# Altium PCB PCB1.PcbDoc (part 11 of 15)
Units mm, origin at the board's own origin, x right, y up, seen from the top; angles counter-clockwise.
Board outline 77.21 x 58.7 mm, 2 copper layers (Top Layer, Bottom Layer); 194 components, 134 nets, 25878 pads, 596 vias.
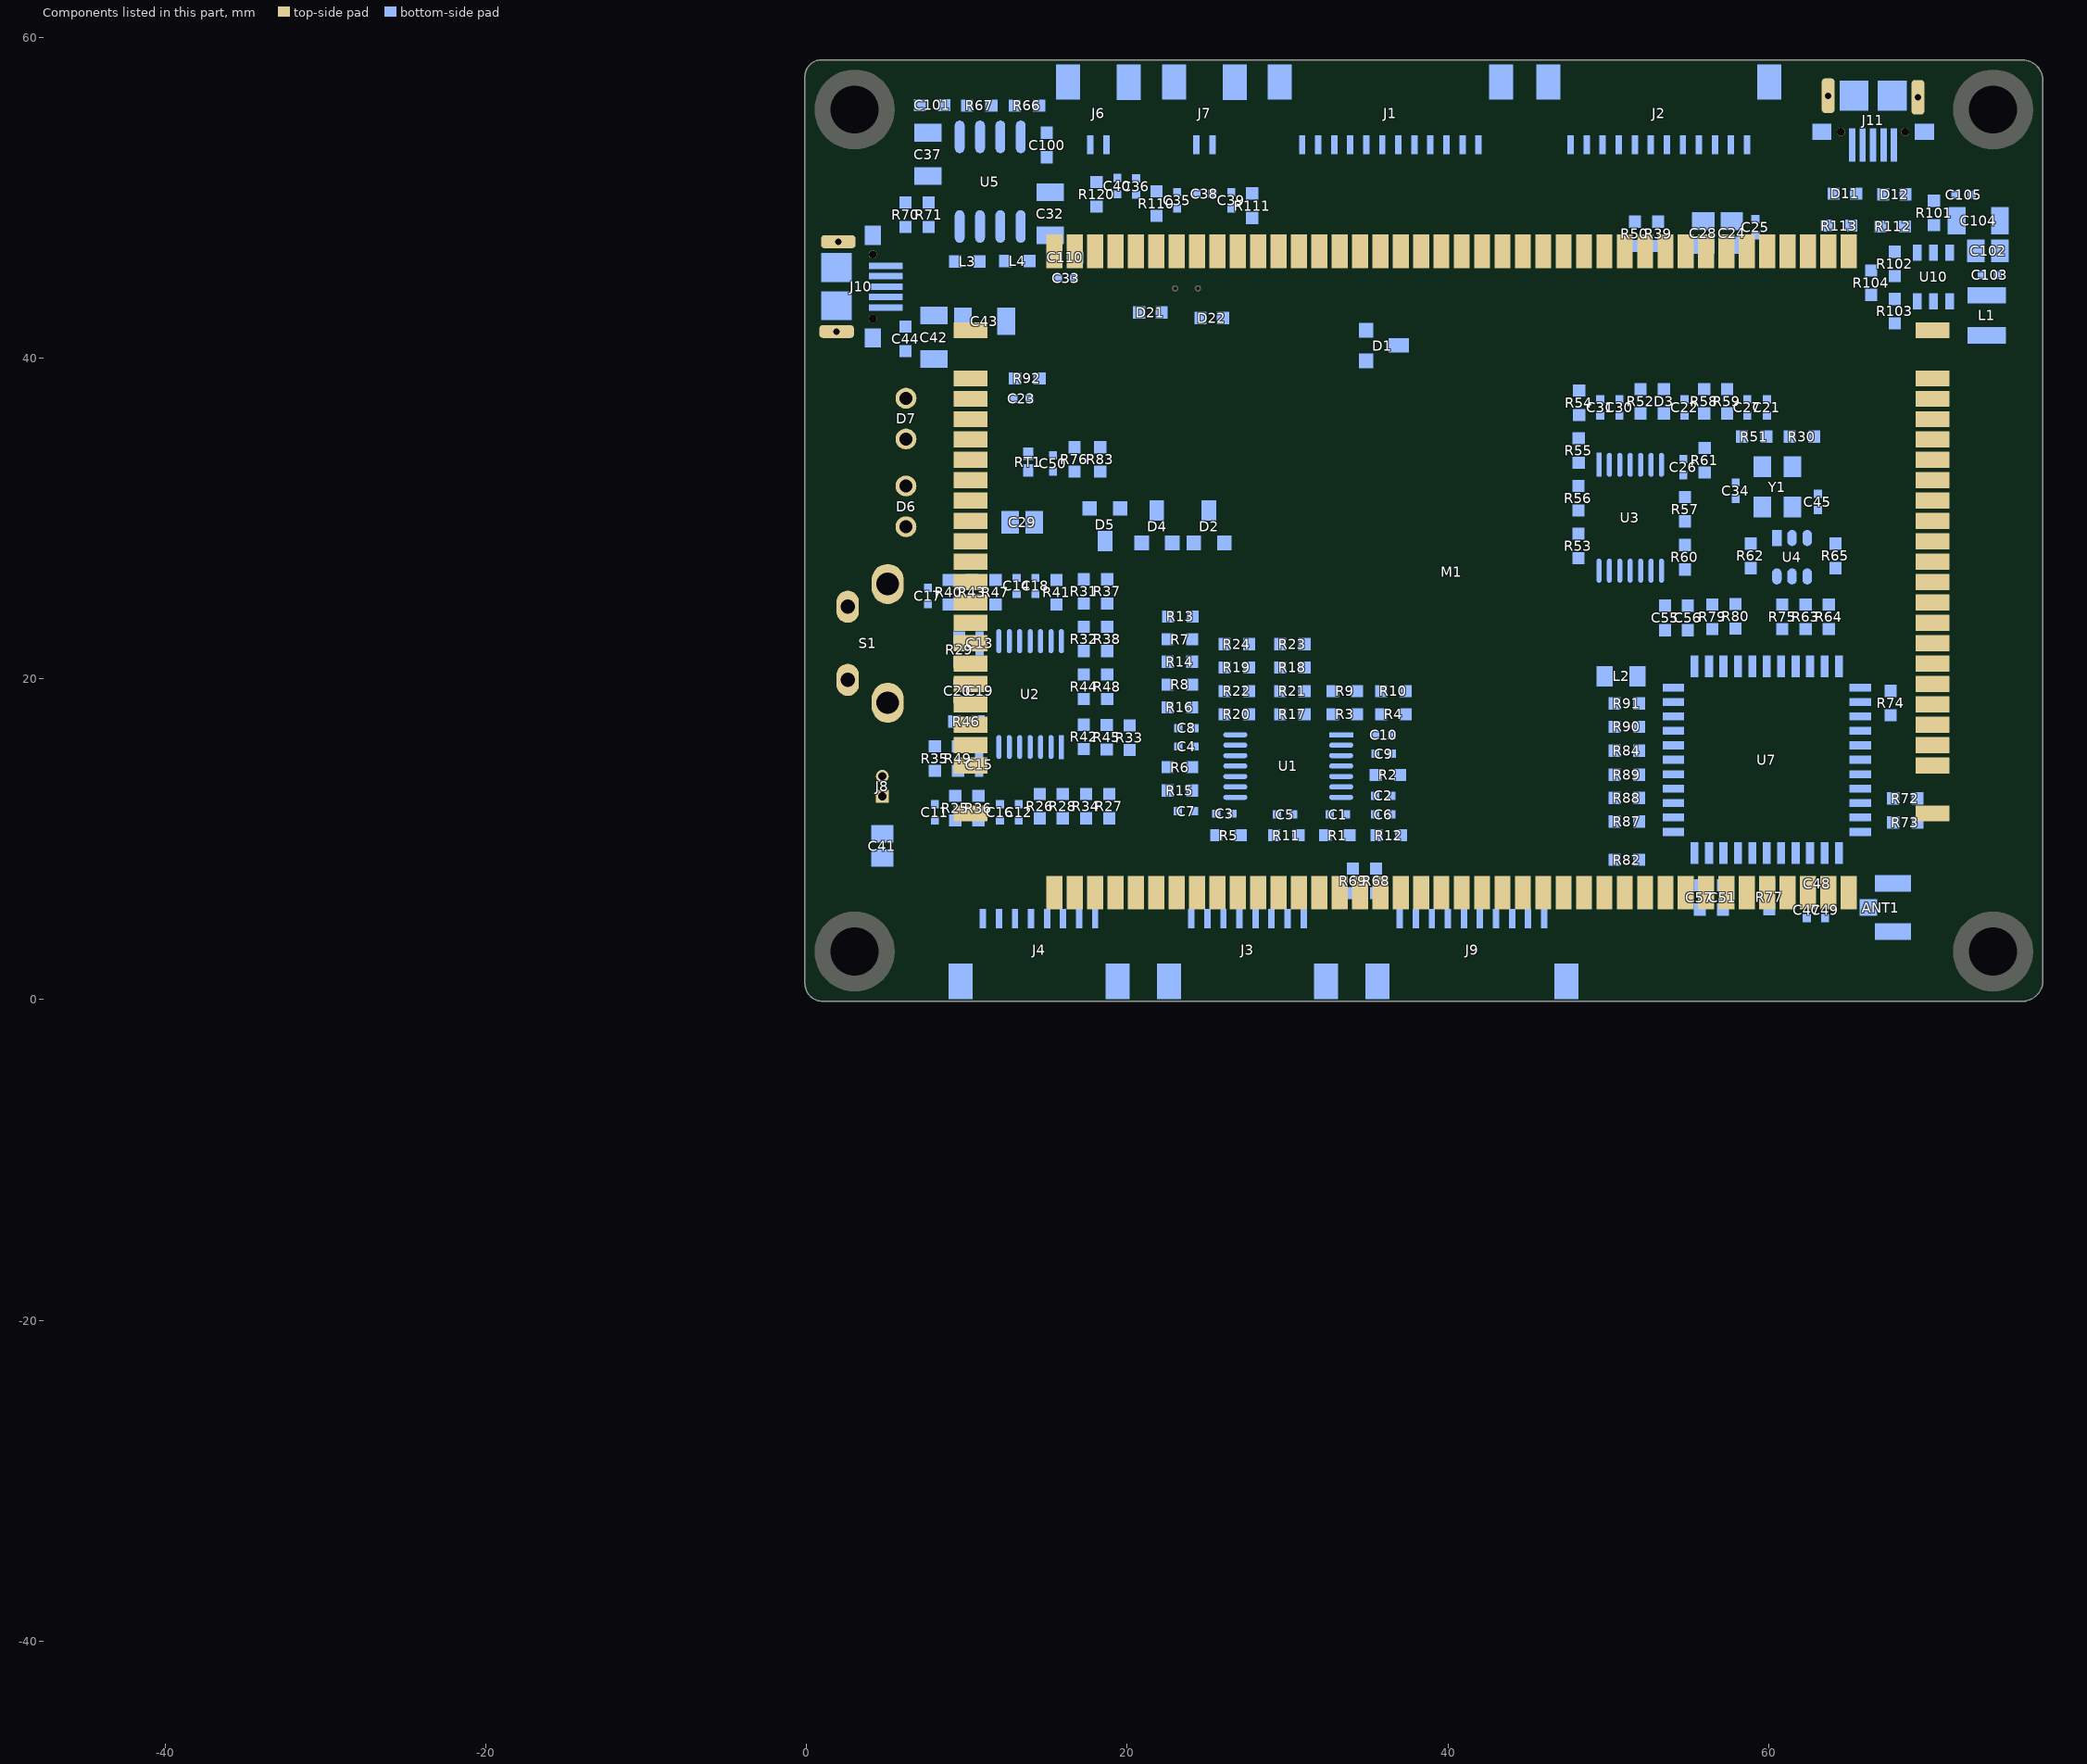
[diagram p11: the components of this part, seen from the top]

## Free pads (board coordinates) (continued)
  round 0 on Mech10: 1(-45.293,-43.974) 1(-45.293,-43.974) 1(-45.293,-43.974) 1(-45.293,-43.972) 1(-45.293,-43.972) 1(-45.293,-43.972) 1(-45.293,-43.986) 1(-45.293,-43.986) 1(-45.293,-43.986) 1(-45.293,-43.983) 1(-45.293,-43.983) 1(-45.293,-43.983) 1(-45.293,-44.016) 1(-45.293,-44.016) 1(-45.293,-44.016) 1(-45.293,-44.019) 1(-45.293,-44.019) 1(-45.293,-44.019) 1(-45.292,-43.984) 1(-45.292,-43.984) 1(-45.292,-43.984) 1(-45.292,-43.977) 1(-45.292,-43.977) 1(-45.292,-43.977) 1(-45.292,-44.011) 1(-45.292,-44.011) 1(-45.292,-44.011) 1(-45.292,-44.007) 1(-45.292,-44.007) 1(-45.292,-44.007) 1(-45.291,-43.998) 1(-45.291,-43.998) 1(-45.291,-43.998) 1(-45.291,-43.973) 1(-45.291,-43.973) 1(-45.291,-43.973) 1(-45.291,-44.003) 1(-45.291,-44.003) 1(-45.291,-44.003) 1(-45.291,-43.983) 1(-45.291,-43.983) 1(-45.291,-43.983) 1(-45.291,-43.99) 1(-45.291,-43.99) 1(-45.291,-43.99) 1(-45.291,-44.011) 1(-45.291,-44.011) 1(-45.291,-44.011) 1(-45.291,-43.993) 1(-45.291,-43.993) 1(-45.291,-43.993) 1(-45.29,-43.982) 1(-45.29,-43.982) 1(-45.29,-43.982) 1(-45.29,-43.979) 1(-45.29,-43.979) 1(-45.29,-43.979) 1(-45.29,-44.019) 1(-45.29,-44.019) 1(-45.29,-44.019) 1(-45.29,-43.996) 1(-45.29,-43.996) 1(-45.29,-43.996) 1(-45.29,-44.016) 1(-45.29,-44.016) 1(-45.29,-44.016) 1(-45.29,-44.001) 1(-45.29,-44.001) 1(-45.29,-44.001) 1(-45.29,-43.987) 1(-45.29,-43.987) 1(-45.29,-43.987) 1(-45.29,-43.982) 1(-45.29,-43.982) 1(-45.29,-43.982) 1(-45.29,-43.978) 1(-45.29,-43.978) 1(-45.29,-43.978) 1(-45.289,-43.973) 1(-45.289,-43.973) 1(-45.289,-43.973) 1(-45.289,-44.01) 1(-45.289,-44.01) 1(-45.289,-44.01) 1(-45.289,-44.008) 1(-45.289,-44.008) 1(-45.289,-44.008) 1(-45.289,-43.975) 1(-45.289,-43.975) 1(-45.289,-43.975) 1(-45.288,-43.987) 1(-45.288,-43.987) 1(-45.288,-43.987) 1(-45.288,-43.985) 1(-45.288,-43.985) 1(-45.288,-43.985) 1(-45.288,-44.017) 1(-45.288,-44.017) 1(-45.288,-44.017) 1(-45.288,-44.02) 1(-45.288,-44.02) 1(-45.288,-44.02) 1(-45.288,-44.024) 1(-45.288,-44.024) 1(-45.288,-44.024) 1(-45.288,-43.971) 1(-45.288,-43.971) 1(-45.288,-43.971) 1(-45.288,-44.005) 1(-45.288,-44.005) 1(-45.288,-44.005) 1(-45.288,-44.001) 1(-45.288,-44.001) 1(-45.288,-44.001) 1(-45.288,-44.004) 1(-45.288,-44.004) 1(-45.288,-44.004) 1(-45.288,-44.002) 1(-45.288,-44.002) 1(-45.288,-44.002) 1(-45.288,-43.978) 1(-45.288,-43.978) 1(-45.288,-43.978) 1(-45.287,-43.982) 1(-45.287,-43.982) 1(-45.287,-43.982) 1(-45.287,-43.991) 1(-45.287,-43.991) 1(-45.287,-43.991) 1(-45.287,-43.974) 1(-45.287,-43.974) 1(-45.287,-43.974) 1(-45.287,-43.968) 1(-45.287,-43.968) 1(-45.287,-43.968) 1(-45.287,-44.022) 1(-45.287,-44.022) 1(-45.287,-44.022) 1(-45.287,-43.986) 1(-45.287,-43.986) 1(-45.287,-43.986) 1(-45.286,-44.019) 1(-45.286,-44.019) 1(-45.286,-44.019) 1(-45.286,-43.999) 1(-45.286,-43.999) 1(-45.286,-43.999) 1(-45.286,-44.008) 1(-45.286,-44.008) 1(-45.286,-44.008) 1(-45.286,-44.014) 1(-45.286,-44.014) 1(-45.286,-44.014) 1(-45.286,-44.012) 1(-45.286,-44.012) 1(-45.286,-44.012) 1(-45.286,-44.005) 1(-45.286,-44.005) 1(-45.286,-44.005) 1(-45.286,-44.004) 1(-45.286,-44.004) 1(-45.286,-44.004) 1(-45.286,-43.98) 1(-45.286,-43.98) 1(-45.286,-43.98) 1(-45.285,-43.997) 1(-45.285,-43.997) 1(-45.285,-43.997) 1(-45.285,-44.001) 1(-45.285,-44.001) 1(-45.285,-44.001) 1(-45.285,-43.987) 1(-45.285,-43.987) 1(-45.285,-43.987) 1(-45.285,-43.989) 1(-45.285,-43.989) 1(-45.285,-43.989) 1(-45.285,-44.017) 1(-45.285,-44.017) 1(-45.285,-44.017) 1(-45.285,-44.006) 1(-45.285,-44.006) 1(-45.285,-44.006) 1(-45.285,-44.01) 1(-45.285,-44.01) 1(-45.285,-44.01) 1(-45.285,-43.977) 1(-45.285,-43.977) 1(-45.285,-43.977) 1(-45.285,-44.011) 1(-45.285,-44.011) 1(-45.285,-44.011) 1(-45.284,-43.985) 1(-45.284,-43.985) 1(-45.284,-43.985) 1(-45.284,-44.019) 1(-45.284,-44.019) 1(-45.284,-44.019) 1(-45.284,-43.975) 1(-45.284,-43.975) 1(-45.284,-43.975) 1(-45.284,-44.022) 1(-45.284,-44.022) 1(-45.284,-44.022) 1(-45.283,-44.015) 1(-45.283,-44.015) 1(-45.283,-44.015) 1(-45.283,-43.984) 1(-45.283,-43.984) 1(-45.283,-43.984) 1(-45.283,-43.974) 1(-45.283,-43.974) 1(-45.283,-43.974) 1(-45.282,-44.024) 1(-45.282,-44.024) 1(-45.282,-44.024) 1(-45.282,-43.995) 1(-45.282,-43.995) 1(-45.282,-43.995) 1(-45.282,-43.991) 1(-45.282,-43.991) 1(-45.282,-43.991) 1(-45.282,-43.99) 1(-45.282,-43.99) 1(-45.282,-43.99) 1(-45.282,-43.996) 1(-45.282,-43.996) 1(-45.282,-43.996) 1(-45.282,-43.993) 1(-45.282,-43.993) 1(-45.282,-43.993) 1(-45.282,-44.011) 1(-45.282,-44.011) 1(-45.282,-44.011) 1(-45.282,-44.006) 1(-45.282,-44.006) 1(-45.282,-44.006) 1(-45.282,-44.008) 1(-45.282,-44.008) 1(-45.282,-44.008) 1(-45.282,-43.987) 1(-45.282,-43.987) 1(-45.282,-43.987) 1(-45.282,-44.004) 1(-45.282,-44.004) 1(-45.282,-44.004) 1(-45.282,-43.989) 1(-45.282,-43.989) 1(-45.282,-43.989) 1(-45.282,-43.986) 1(-45.282,-43.986) 1(-45.282,-43.986) 1(-45.281,-43.999) 1(-45.281,-43.999) 1(-45.281,-43.999) 1(-45.281,-43.984) 1(-45.281,-43.984) 1(-45.281,-43.984) 1(-45.281,-44.015) 1(-45.281,-44.015) 1(-45.281,-44.015) 1(-45.281,-44.004) 1(-45.281,-44.004) 1(-45.281,-44.004) 1(-45.281,-44.017) 1(-45.281,-44.017) 1(-45.281,-44.017) 1(-45.281,-43.989) 1(-45.281,-43.989) 1(-45.281,-43.989) 1(-45.281,-44.006) 1(-45.281,-44.006) 1(-45.281,-44.006) 1(-45.281,-44.019) 1(-45.281,-44.019) 1(-45.281,-44.019) 1(-45.281,-44.008) 1(-45.281,-44.008) 1(-45.281,-44.008) 1(-45.28,-44.014) 1(-45.28,-44.014) 1(-45.28,-44.014) 1(-45.28,-44.012) 1(-45.28,-44.012) 1(-45.28,-44.012) 1(-45.28,-43.974) 1(-45.28,-43.974) 1(-45.28,-43.974) 1(-45.28,-43.967) 1(-45.28,-43.967) 1(-45.28,-43.967) 1(-45.28,-43.993) 1(-45.28,-43.993) 1(-45.28,-43.993) 1(-45.28,-43.985) 1(-45.28,-43.985) 1(-45.28,-43.985) 1(-45.28,-44.007) 1(-45.28,-44.007) 1(-45.28,-44.007) 1(-45.28,-44.021) 1(-45.28,-44.021) 1(-45.28,-44.021) 1(-45.279,-43.989) 1(-45.279,-43.989) 1(-45.279,-43.989) 1(-45.279,-44.01) 1(-45.279,-44.01) 1(-45.279,-44.01) 1(-45.279,-44.001) 1(-45.279,-44.001) 1(-45.279,-44.001) 1(-45.279,-43.987) 1(-45.279,-43.987) 1(-45.279,-43.987) 1(-45.279,-44.004) 1(-45.279,-44.004) 1(-45.279,-44.004) 1(-45.279,-43.984) 1(-45.279,-43.984) 1(-45.279,-43.984) 1(-45.279,-43.967) 1(-45.279,-43.967) 1(-45.279,-43.967) 1(-45.279,-43.995) 1(-45.279,-43.995) 1(-45.279,-43.995) 1(-45.279,-43.994) 1(-45.279,-43.994) 1(-45.279,-43.994) 1(-45.279,-43.987) 1(-45.279,-43.987) 1(-45.279,-43.987) 1(-45.278,-43.974) 1(-45.278,-43.974) 1(-45.278,-43.974) 1(-45.278,-43.99) 1(-45.278,-43.99) 1(-45.278,-43.99) 1(-45.278,-44.001) 1(-45.278,-44.001) 1(-45.278,-44.001) 1(-45.278,-44.015) 1(-45.278,-44.015) 1(-45.278,-44.015) 1(-45.278,-43.998) 1(-45.278,-43.998) 1(-45.278,-43.998) 1(-45.278,-43.997) 1(-45.278,-43.997) 1(-45.278,-43.997) 1(-45.278,-44.005) 1(-45.278,-44.005) 1(-45.278,-44.005) 1(-45.278,-44.011) 1(-45.278,-44.011) 1(-45.278,-44.011) 1(-45.278,-44.008) 1(-45.278,-44.008) 1(-45.278,-44.008) 1(-45.278,-44.004) 1(-45.278,-44.004) 1(-45.278,-44.004) 1(-45.278,-43.985) 1(-45.278,-43.985) 1(-45.278,-43.985) 1(-45.278,-44.021) 1(-45.278,-44.021) 1(-45.278,-44.021) 1(-45.278,-43.99) 1(-45.278,-43.99) 1(-45.278,-43.99) 1(-45.277,-43.997) 1(-45.277,-43.997) 1(-45.277,-43.997) 1(-45.277,-44.011) 1(-45.277,-44.011) 1(-45.277,-44.011) 1(-45.277,-43.994) 1(-45.277,-43.994) 1(-45.277,-43.994) 1(-45.277,-44.009) 1(-45.277,-44.009) 1(-45.277,-44.009) 1(-45.277,-44.002) 1(-45.277,-44.002) 1(-45.277,-44.002) 1(-45.277,-43.977) 1(-45.277,-43.977) 1(-45.277,-43.977) 1(-45.276,-43.98) 1(-45.276,-43.98) 1(-45.276,-43.98) 1(-45.276,-44.024) 1(-45.276,-44.024) 1(-45.276,-44.024) 1(-45.276,-43.986) 1(-45.276,-43.986) 1(-45.276,-43.986) 1(-45.276,-44.017) 1(-45.276,-44.017) 1(-45.276,-44.017) 1(-45.276,-43.977) 1(-45.276,-43.977) 1(-45.276,-43.977) 1(-45.276,-44.021) 1(-45.276,-44.021) 1(-45.276,-44.021) 1(-45.276,-43.973) 1(-45.276,-43.973) 1(-45.276,-43.973) 1(-45.275,-43.982) 1(-45.275,-43.982) 1(-45.275,-43.982) 1(-45.275,-43.99) 1(-45.275,-43.99) 1(-45.275,-43.99) 1(-45.275,-44.011) 1(-45.275,-44.011) 1(-45.275,-44.011) 1(-45.275,-43.995) 1(-45.275,-43.995) 1(-45.275,-43.995) 1(-45.275,-44.009) 1(-45.275,-44.009) 1(-45.275,-44.009) 1(-45.275,-44.005) 1(-45.275,-44.005) 1(-45.275,-44.005) 1(-45.275,-43.989) 1(-45.275,-43.989) 1(-45.275,-43.989) 1(-45.275,-43.984) 1(-45.275,-43.984) 1(-45.275,-43.984) 1(-45.274,-44.021) 1(-45.274,-44.021) 1(-45.274,-44.021) 1(-45.274,-44.017) 1(-45.274,-44.017) 1(-45.274,-44.017) 1(-45.274,-44.009) 1(-45.274,-44.009) 1(-45.274,-44.009) 1(-45.274,-43.975) 1(-45.274,-43.975) 1(-45.274,-43.975) 1(-45.274,-43.991) 1(-45.274,-43.991) 1(-45.274,-43.991) 1(-45.274,-44.015) 1(-45.274,-44.015) 1(-45.274,-44.015) 1(-45.274,-43.971) 1(-45.274,-43.971) 1(-45.274,-43.971) 1(-45.274,-44.007) 1(-45.274,-44.007) 1(-45.274,-44.007) 1(-45.274,-43.993) 1(-45.274,-43.993) 1(-45.274,-43.993) 1(-45.274,-44.002) 1(-45.274,-44.002) 1(-45.274,-44.002) 1(-45.274,-44.013) 1(-45.274,-44.013) 1(-45.274,-44.013) 1(-45.274,-44.012) 1(-45.274,-44.012) 1(-45.274,-44.012) 1(-45.273,-44.011) 1(-45.273,-44.011) 1(-45.273,-44.011) 1(-45.273,-44.014) 1(-45.273,-44.014) 1(-45.273,-44.014) 1(-45.273,-43.99) 1(-45.273,-43.99) 1(-45.273,-43.99) 1(-45.273,-43.975) 1(-45.273,-43.975) 1(-45.273,-43.975) 1(-45.273,-43.977) 1(-45.273,-43.977) 1(-45.273,-43.977) 1(-45.273,-43.984) 1(-45.273,-43.984) 1(-45.273,-43.984) 1(-45.273,-43.981) 1(-45.273,-43.981) 1(-45.273,-43.981) 1(-45.273,-43.98) 1(-45.273,-43.98) 1(-45.273,-43.98) 1(-45.273,-44.016) 1(-45.273,-44.016) 1(-45.273,-44.016) 1(-45.273,-43.998) 1(-45.273,-43.998) 1(-45.273,-43.998) 1(-45.273,-43.971) 1(-45.273,-43.971) 1(-45.273,-43.971) 1(-45.273,-44.013) 1(-45.273,-44.013) 1(-45.273,-44.013) 1(-45.273,-43.999) 1(-45.273,-43.999) 1(-45.273,-43.999) 1(-45.273,-44.011) 1(-45.273,-44.011) 1(-45.273,-44.011) 1(-45.273,-43.987) 1(-45.273,-43.987) 1(-45.273,-43.987) 1(-45.272,-43.989) 1(-45.272,-43.989) 1(-45.272,-43.989) 1(-45.272,-44.004) 1(-45.272,-44.004) 1(-45.272,-44.004) 1(-45.272,-44.007) 1(-45.272,-44.007) 1(-45.272,-44.007) 1(-45.272,-43.998) 1(-45.272,-43.998) 1(-45.272,-43.998) 1(-45.272,-43.988) 1(-45.272,-43.988) 1(-45.272,-43.988) 1(-45.272,-44.005) 1(-45.272,-44.005) 1(-45.272,-44.005) 1(-45.272,-44.002) 1(-45.272,-44.002) 1(-45.272,-44.002) 1(-45.272,-43.971) 1(-45.272,-43.971) 1(-45.272,-43.971) 1(-45.272,-43.995) 1(-45.272,-43.995) 1(-45.272,-43.995) 1(-45.272,-43.993) 1(-45.272,-43.993) 1(-45.272,-43.993) 1(-45.272,-44) 1(-45.272,-44) 1(-45.272,-44) 1(-45.272,-43.992) 1(-45.272,-43.992) 1(-45.272,-43.992) 1(-45.272,-44.013) 1(-45.272,-44.013) 1(-45.272,-44.013) 1(-45.271,-44.009) 1(-45.271,-44.009) 1(-45.271,-44.009) 1(-45.271,-43.981) 1(-45.271,-43.981) 1(-45.271,-43.981) 1(-45.271,-43.974) 1(-45.271,-43.974) 1(-45.271,-43.974) 1(-45.27,-44.014) 1(-45.27,-44.014) 1(-45.27,-44.014) 1(-45.27,-44.011) 1(-45.27,-44.011) 1(-45.27,-44.011) 1(-45.27,-43.976) 1(-45.27,-43.976) 1(-45.27,-43.976) 1(-45.27,-43.994) 1(-45.27,-43.994) 1(-45.27,-43.994) 1(-45.27,-43.991) 1(-45.27,-43.991) 1(-45.27,-43.991) 1(-45.27,-44.016) 1(-45.27,-44.016) 1(-45.27,-44.016) 1(-45.27,-43.97) 1(-45.27,-43.97) 1(-45.27,-43.97) 1(-45.27,-44.024) 1(-45.27,-44.024) 1(-45.27,-44.024) 1(-45.27,-44) 1(-45.27,-44) 1(-45.27,-44) 1(-45.27,-43.976) 1(-45.27,-43.976) 1(-45.27,-43.976) 1(-45.269,-43.981) 1(-45.269,-43.981) 1(-45.269,-43.981) 1(-45.269,-44.014) 1(-45.269,-44.014) 1(-45.269,-44.014) 1(-45.269,-43.976) 1(-45.269,-43.976) 1(-45.269,-43.976) 1(-45.269,-44.022) 1(-45.269,-44.022) 1(-45.269,-44.022) 1(-45.269,-43.995) 1(-45.269,-43.995) 1(-45.269,-43.995) 1(-45.269,-44.012) 1(-45.269,-44.012) 1(-45.269,-44.012) 1(-45.269,-43.993) 1(-45.269,-43.993) 1(-45.269,-43.993) 1(-45.269,-44.002) 1(-45.269,-44.002) 1(-45.269,-44.002) 1(-45.268,-43.98) 1(-45.268,-43.98) 1(-45.268,-43.98) 1(-45.268,-43.976) 1(-45.268,-43.976) 1(-45.268,-43.976) 1(-45.268,-43.99) 1(-45.268,-43.99) 1(-45.268,-43.99) 1(-45.268,-44.01) 1(-45.268,-44.01) 1(-45.268,-44.01) 1(-45.268,-43.97) 1(-45.268,-43.97) 1(-45.268,-43.97) 1(-45.268,-44.001) 1(-45.268,-44.001) 1(-45.268,-44.001) 1(-45.268,-43.999) 1(-45.268,-43.999) 1(-45.268,-43.999) 1(-45.268,-44.005) 1(-45.268,-44.005) 1(-45.268,-44.005) 1(-45.268,-43.981) 1(-45.268,-43.981) 1(-45.268,-43.981) 1(-45.268,-43.998) 1(-45.268,-43.998) 1(-45.268,-43.998) 1(-45.268,-44.002) 1(-45.268,-44.002) 1(-45.268,-44.002) 1(-45.267,-44.022) 1(-45.267,-44.022) 1(-45.267,-44.022) 1(-45.267,-44.006) 1(-45.267,-44.006) 1(-45.267,-44.006) 1(-45.267,-43.981) 1(-45.267,-43.981) 1(-45.267,-43.981) 1(-45.267,-44.016) 1(-45.267,-44.016) 1(-45.267,-44.016) 1(-45.266,-44.013) 1(-45.266,-44.013) 1(-45.266,-44.013) 1(-45.266,-43.98) 1(-45.266,-43.98) 1(-45.266,-43.98) 1(-45.266,-44) 1(-45.266,-44) 1(-45.266,-44) 1(-45.266,-43.996) 1(-45.266,-43.996) 1(-45.266,-43.996) 1(-45.266,-43.995) 1(-45.266,-43.995) 1(-45.266,-43.995) 1(-45.266,-44.015) 1(-45.266,-44.015) 1(-45.266,-44.015) 1(-45.265,-44.012) 1(-45.265,-44.012) 1(-45.265,-44.012) 1(-45.265,-43.975) 1(-45.265,-43.975) 1(-45.265,-43.975) 1(-45.265,-43.97) 1(-45.265,-43.97) 1(-45.265,-43.97) 1(-45.265,-44.004) 1(-45.265,-44.004) 1(-45.265,-44.004) 1(-45.265,-44.022) 1(-45.265,-44.022) 1(-45.265,-44.022) 1(-45.265,-44.013) 1(-45.265,-44.013) 1(-45.265,-44.013) 1(-45.265,-43.977) 1(-45.265,-43.977) 1(-45.265,-43.977) 1(-45.265,-43.999) 1(-45.265,-43.999) 1(-45.265,-43.999) 1(-45.265,-43.997) 1(-45.265,-43.997) 1(-45.265,-43.997) 1(-45.265,-43.989) 1(-45.265,-43.989) 1(-45.265,-43.989) 1(-45.265,-44.001) 1(-45.265,-44.001) 1(-45.265,-44.001) 1(-45.265,-43.992) 1(-45.265,-43.992) 1(-45.265,-43.992) 1(-45.265,-43.976) 1(-45.265,-43.976) 1(-45.265,-43.976) 1(-45.264,-44.016) 1(-45.264,-44.016) 1(-45.264,-44.016) 1(-45.264,-44.009) 1(-45.264,-44.009) 1(-45.264,-44.009) 1(-45.264,-44.011) 1(-45.264,-44.011) 1(-45.264,-44.011) 1(-45.263,-43.987) 1(-45.263,-43.987) 1(-45.263,-43.987) 1(-45.263,-44.024) 1(-45.263,-44.024) 1(-45.263,-44.024) 1(-45.263,-44.022) 1(-45.263,-44.022) 1(-45.263,-44.022) 1(-45.263,-44.017) 1(-45.263,-44.017) 1(-45.263,-44.017) 1(-45.263,-43.968) 1(-45.263,-43.968) 1(-45.263,-43.968) 1(-45.262,-43.977) 1(-45.262,-43.977) 1(-45.262,-43.977) 1(-45.262,-44.011) 1(-45.262,-44.011) 1(-45.262,-44.011) 1(-45.262,-44.003) 1(-45.262,-44.003) 1(-45.262,-44.003) 1(-45.262,-44.006) 1(-45.262,-44.006) 1(-45.262,-44.006) 1(-45.262,-44.013) 1(-45.262,-44.013) 1(-45.262,-44.013) 1(-45.262,-44.008) 1(-45.262,-44.008) 1(-45.262,-44.008) 1(-45.262,-44.012) 1(-45.262,-44.012) 1(-45.262,-44.012) 1(-45.262,-44.003) 1(-45.262,-44.003) 1(-45.262,-44.003) 1(-45.261,-44.02) 1(-45.261,-44.02) 1(-45.261,-44.02) 1(-45.261,-43.977) 1(-45.261,-43.977) 1(-45.261,-43.977) 1(-45.26,-44.004) 1(-45.26,-44.004) 1(-45.26,-44.004) 1(-45.26,-44.006) 1(-45.26,-44.006) 1(-45.26,-44.006) 1(-45.26,-44.008) 1(-45.26,-44.008) 1(-45.26,-44.008) 1(-45.26,-44.001) 1(-45.26,-44.001) 1(-45.26,-44.001) 1(-45.26,-43.987) 1(-45.26,-43.987) 1(-45.26,-43.987) 1(-45.26,-44.015) 1(-45.26,-44.015) 1(-45.26,-44.015) 1(-45.259,-44.01) 1(-45.259,-44.01) 1(-45.259,-44.01) 1(-45.259,-44.008) 1(-45.259,-44.008) 1(-45.259,-44.008) 1(-45.259,-44.011) 1(-45.259,-44.011) 1(-45.259,-44.011) 1(-45.259,-44.003) 1(-45.259,-44.003) 1(-45.259,-44.003) 1(-45.259,-44.021) 1(-45.259,-44.021) 1(-45.259,-44.021) 1(-45.258,-44.014) 1(-45.258,-44.014) 1(-45.258,-44.014) 1(-45.257,-44.008) 1(-45.257,-44.008) 1(-45.257,-44.008) 1(-45.257,-44.012) 1(-45.257,-44.012) 1(-45.257,-44.012) 1(-45.257,-44.01) 1(-45.257,-44.01) 1(-45.257,-44.01) 1(-45.257,-44.016) 1(-45.257,-44.016) 1(-45.257,-44.016) 1(-45.257,-44.003) 1(-45.257,-44.003) 1(-45.257,-44.003) 1(-45.257,-44.01) 1(-45.257,-44.01) 1(-45.257,-44.01) 1(-45.257,-44.013) 1(-45.257,-44.013) 1(-45.257,-44.013) 1(-45.257,-43.987) 1(-45.257,-43.987) 1(-45.257,-43.987) 1(-45.257,-44.012) 1(-45.257,-44.012) 1(-45.257,-44.012) 1(-45.257,-44.008) 1(-45.257,-44.008) 1(-45.257,-44.008) 1(-45.256,-43.986) 1(-45.256,-43.986) 1(-45.256,-43.986) 1(-45.256,-44.005) 1(-45.256,-44.005) 1(-45.256,-44.005) 1(-45.256,-44.024) 1(-45.256,-44.024) 1(-45.256,-44.024) 1(-45.256,-44.008) 1(-45.256,-44.008) 1(-45.256,-44.008) 1(-45.256,-44.015) 1(-45.256,-44.015) 1(-45.256,-44.015) 1(-45.256,-43.969) 1(-45.256,-43.969) 1(-45.256,-43.969) 1(-45.256,-43.983) 1(-45.256,-43.983) 1(-45.256,-43.983) 1(-45.255,-44.011) 1(-45.255,-44.011) 1(-45.255,-44.011) 1(-45.255,-44.013) 1(-45.255,-44.013) 1(-45.255,-44.013) 1(-45.255,-44.007) 1(-45.255,-44.007) 1(-45.255,-44.007) 1(-45.255,-44.009) 1(-45.255,-44.009) 1(-45.255,-44.009) 1(-45.255,-44.012) 1(-45.255,-44.012) 1(-45.255,-44.012) 1(-45.255,-44.001) 1(-45.255,-44.001) 1(-45.255,-44.001) 1(-45.255,-44.014) 1(-45.255,-44.014) 1(-45.255,-44.014) 1(-45.255,-44.003) 1(-45.255,-44.003) 1(-45.255,-44.003) 1(-45.254,-44.005) 1(-45.254,-44.005) 1(-45.254,-44.005) 1(-45.254,-44.018) 1(-45.254,-44.018) 1(-45.254,-44.018) 1(-45.253,-43.986) 1(-45.253,-43.986) 1(-45.253,-43.986) 1(-45.253,-44.023) 1(-45.253,-44.023) 1(-45.253,-44.023) 1(-45.253,-44.01) 1(-45.253,-44.01) 1(-45.253,-44.01) 1(-45.253,-44.004) 1(-45.253,-44.004) 1(-45.253,-44.004) 1(-45.252,-43.983) 1(-45.252,-43.983) 1(-45.252,-43.983) 1(-45.252,-44.013) 1(-45.252,-44.013) 1(-45.252,-44.013) 1(-45.252,-44.008) 1(-45.252,-44.008) 1(-45.252,-44.008) 1(-45.252,-43.987) 1(-45.252,-43.987) 1(-45.252,-43.987) 1(-45.252,-44.011) 1(-45.252,-44.011) 1(-45.252,-44.011) 1(-45.252,-43.968) 1(-45.252,-43.968) 1(-45.252,-43.968) 1(-45.252,-44.003) 1(-45.252,-44.003) 1(-45.252,-44.003) 1(-45.252,-44.001) 1(-45.252,-44.001) 1(-45.252,-44.001) 1(-45.252,-44.01) 1(-45.252,-44.01) 1(-45.252,-44.01) 1(-45.251,-43.971) 1(-45.251,-43.971) 1(-45.251,-43.971) 1(-45.251,-44.013) 1(-45.251,-44.013) 1(-45.251,-44.013) 1(-45.251,-44.011) 1(-45.251,-44.011) 1(-45.251,-44.011) 1(-45.25,-44.009) 1(-45.25,-44.009) 1(-45.25,-44.009) 1(-45.25,-44.008) 1(-45.25,-44.008) 1(-45.25,-44.008) 1(-45.25,-44.006) 1(-45.25,-44.006) 1(-45.25,-44.006) 1(-45.25,-44.001) 1(-45.25,-44.001) 1(-45.25,-44.001) 1(-45.25,-43.987) 1(-45.25,-43.987) 1(-45.25,-43.987) 1(-45.25,-43.986) 1(-45.25,-43.986) 1(-45.25,-43.986) 1(-45.25,-44.014) 1(-45.25,-44.014) 1(-45.25,-44.014) 1(-45.25,-44.011) 1(-45.25,-44.011) 1(-45.25,-44.011) 1(-45.249,-44.006) 1(-45.249,-44.006) 1(-45.249,-44.006) 1(-45.249,-43.98) 1(-45.249,-43.98) 1(-45.249,-43.98) 1(-45.248,-44.024) 1(-45.248,-44.024) 1(-45.248,-44.024) 1(-45.248,-43.98) 1(-45.248,-43.98) 1(-45.248,-43.98) 1(-45.248,-44.004) 1(-45.248,-44.004) 1(-45.248,-44.004) 1(-45.248,-44.008) 1(-45.248,-44.008) 1(-45.248,-44.008) 1(-45.248,-44.013) 1(-45.248,-44.013) 1(-45.248,-44.013) 1(-45.248,-44.011) 1(-45.248,-44.011) 1(-45.248,-44.011) 1(-45.248,-44.014) 1(-45.248,-44.014) 1(-45.248,-44.014) 1(-45.247,-43.99) 1(-45.247,-43.99) 1(-45.247,-43.99) 1(-45.247,-43.992) 1(-45.247,-43.992) 1(-45.247,-43.992) 1(-45.247,-43.989) 1(-45.247,-43.989) 1(-45.247,-43.989) 1(-45.247,-43.999) 1(-45.247,-43.999) 1(-45.247,-43.999) 1(-45.247,-43.998) 1(-45.247,-43.998) 1(-45.247,-43.998) 1(-45.247,-44.011) 1(-45.247,-44.011) 1(-45.247,-44.011) 1(-45.247,-44.008) 1(-45.247,-44.008) 1(-45.247,-44.008) 1(-45.247,-44.013) 1(-45.247,-44.013) 1(-45.247,-44.013) 1(-45.247,-43.991) 1(-45.247,-43.991) 1(-45.247,-43.991) 1(-45.246,-43.987) 1(-45.246,-43.987) 1(-45.246,-43.987) 1(-45.246,-43.995) 1(-45.246,-43.995) 1(-45.246,-43.995) 1(-45.246,-43.99) 1(-45.246,-43.99) 1(-45.246,-43.99) 1(-45.246,-43.971) 1(-45.246,-43.971) 1(-45.246,-43.971) 1(-45.246,-44) 1(-45.246,-44) 1(-45.246,-44) 1(-45.246,-44.024) 1(-45.246,-44.024) 1(-45.246,-44.024) 1(-45.246,-44.024) 1(-45.246,-44.024) 1(-45.246,-44.024) 1(-45.246,-43.968) 1(-45.246,-43.968) 1(-45.246,-43.968) 1(-45.246,-44.005) 1(-45.246,-44.005) 1(-45.246,-44.005) 1(-45.245,-44.007) 1(-45.245,-44.007) 1(-45.245,-44.007) 1(-45.245,-43.985) 1(-45.245,-43.985) 1(-45.245,-43.985) 1(-45.245,-43.997) 1(-45.245,-43.997) 1(-45.245,-43.997) 1(-45.245,-44.004) 1(-45.245,-44.004) 1(-45.245,-44.004) 1(-45.245,-44.002) 1(-45.245,-44.002) 1(-45.245,-44.002) 1(-45.245,-43.986) 1(-45.245,-43.986) 1(-45.245,-43.986) 1(-45.245,-43.994) 1(-45.245,-43.994) 1(-45.245,-43.994) 1(-45.245,-44) 1(-45.245,-44) 1(-45.245,-44) 1(-45.245,-43.99) 1(-45.245,-43.99) 1(-45.245,-43.99) 1(-45.245,-44.001) 1(-45.245,-44.001) 1(-45.245,-44.001) 1(-45.244,-44.012) 1(-45.244,-44.012) 1(-45.244,-44.012) 1(-45.244,-44.003) 1(-45.244,-44.003) 1(-45.244,-44.003) 1(-45.244,-44.014) 1(-45.244,-44.014) 1(-45.244,-44.014) 1(-45.244,-43.977) 1(-45.244,-43.977) 1(-45.244,-43.977) 1(-45.244,-44.016) 1(-45.244,-44.016) 1(-45.244,-44.016) 1(-45.244,-43.993) 1(-45.244,-43.993) 1(-45.244,-43.993) 1(-45.244,-43.986) 1(-45.244,-43.986) 1(-45.244,-43.986) 1(-45.244,-44) 1(-45.244,-44) 1(-45.244,-44) 1(-45.243,-44.024) 1(-45.243,-44.024) 1(-45.243,-44.024) 1(-45.243,-43.994) 1(-45.243,-43.994) 1(-45.243,-43.994) 1(-45.243,-44.003) 1(-45.243,-44.003) 1(-45.243,-44.003) 1(-45.243,-43.997) 1(-45.243,-43.997) 1(-45.243,-43.997) 1(-45.243,-43.995) 1(-45.243,-43.995) 1(-45.243,-43.995) 1(-45.243,-44.016) 1(-45.243,-44.016) 1(-45.243,-44.016) 1(-45.243,-43.984) 1(-45.243,-43.984) 1(-45.243,-43.984) 1(-45.243,-44.013) 1(-45.243,-44.013) 1(-45.243,-44.013) 1(-45.242,-43.99) 1(-45.242,-43.99) 1(-45.242,-43.99) 1(-45.242,-43.994) 1(-45.242,-43.994) 1(-45.242,-43.994) 1(-45.242,-44.003) 1(-45.242,-44.003) 1(-45.242,-44.003) 1(-45.242,-43.993) 1(-45.242,-43.993) 1(-45.242,-43.993) 1(-45.241,-43.997) 1(-45.241,-43.997) 1(-45.241,-43.997) 1(-45.241,-43.984) 1(-45.241,-43.984) 1(-45.241,-43.984) 1(-45.241,-44.001) 1(-45.241,-44.001) 1(-45.241,-44.001) 1(-45.241,-44) 1(-45.241,-44) 1(-45.241,-44) 1(-45.24,-43.995) 1(-45.24,-43.995) 1(-45.24,-43.995) 1(-45.24,-43.997) 1(-45.24,-43.997) 1(-45.24,-43.997) 1(-45.24,-43.985) 1(-45.24,-43.985) 1(-45.24,-43.985) 1(-45.24,-44.017) 1(-45.24,-44.017) 1(-45.24,-44.017) 1(-45.24,-43.994) 1(-45.24,-43.994) 1(-45.24,-43.994) 1(-45.24,-43.99) 1(-45.24,-43.99) 1(-45.24,-43.99) 1(-45.239,-44) 1(-45.239,-44) 1(-45.239,-44) 1(-45.239,-43.977) 1(-45.239,-43.977) 1(-45.239,-43.977) 1(-45.239,-44.004) 1(-45.239,-44.004) 1(-45.239,-44.004) 1(-45.239,-44.016) 1(-45.239,-44.016) 1(-45.239,-44.016) 1(-45.239,-43.987) 1(-45.239,-43.987) 1(-45.239,-43.987) 1(-45.239,-44.021) 1(-45.239,-44.021) 1(-45.239,-44.021) 1(-45.239,-43.984) 1(-45.239,-43.984) 1(-45.239,-43.984) 1(-45.239,-44.003) 1(-45.239,-44.003) 1(-45.239,-44.003) 1(-45.239,-44.007) 1(-45.239,-44.007) 1(-45.239,-44.007) 1(-45.238,-43.991) 1(-45.238,-43.991) 1(-45.238,-43.991) 1(-45.238,-43.995) 1(-45.238,-43.995) 1(-45.238,-43.995) 1(-45.238,-43.976) 1(-45.238,-43.976) 1(-45.238,-43.976) 1(-45.238,-44.003) 1(-45.238,-44.003) 1(-45.238,-44.003) 1(-45.238,-43.994) 1(-45.238,-43.994) 1(-45.238,-43.994) 1(-45.237,-44.008) 1(-45.237,-44.008) 1(-45.237,-44.008) 1(-45.237,-44.014) 1(-45.237,-44.014) 1(-45.237,-44.014) 1(-45.237,-44.012) 1(-45.237,-44.012) 1(-45.237,-44.012) 1(-45.237,-44.011) 1(-45.237,-44.011) 1(-45.237,-44.011) 1(-45.237,-44.007) 1(-45.237,-44.007) 1(-45.237,-44.007) 1(-45.237,-43.999) 1(-45.237,-43.999) 1(-45.237,-43.999) 1(-45.237,-44.01) 1(-45.237,-44.01) 1(-45.237,-44.01) 1(-45.237,-44.022) 1(-45.237,-44.022) 1(-45.237,-44.022) 1(-45.237,-43.997) 1(-45.237,-43.997) 1(-45.237,-43.997) 1(-45.237,-43.975) 1(-45.237,-43.975) 1(-45.237,-43.975) 1(-45.236,-44.021) 1(-45.236,-44.021) 1(-45.236,-44.021) 1(-45.236,-43.99) 1(-45.236,-43.99) 1(-45.236,-43.99) 1(-45.236,-44.003) 1(-45.236,-44.003) 1(-45.236,-44.003) 1(-45.236,-43.996) 1(-45.236,-43.996) 1(-45.236,-43.996) 1(-45.236,-43.985) 1(-45.236,-43.985) 1(-45.236,-43.985) 1(-45.236,-43.968) 1(-45.236,-43.968) 1(-45.236,-43.968) 1(-45.236,-44.005) 1(-45.236,-44.005) 1(-45.236,-44.005) 1(-45.236,-43.995) 1(-45.236,-43.995) 1(-45.236,-43.995) 1(-45.236,-43.999) 1(-45.236,-43.999) 1(-45.236,-43.999) 1(-45.236,-43.991) 1(-45.236,-43.991) 1(-45.236,-43.991) 1(-45.235,-44.014) 1(-45.235,-44.014) 1(-45.235,-44.014) 1(-45.235,-44.012) 1(-45.235,-44.012) 1(-45.235,-44.012) 1(-45.235,-44.011) 1(-45.235,-44.011) 1(-45.235,-44.011) 1(-45.235,-44.009) 1(-45.235,-44.009) 1(-45.235,-44.009) 1(-45.235,-44.007) 1(-45.235,-44.007) 1(-45.235,-44.007) 1(-45.235,-44.022) 1(-45.235,-44.022) 1(-45.235,-44.022) 1(-45.235,-43.993) 1(-45.235,-43.993) 1(-45.235,-43.993) 1(-45.234,-43.975) 1(-45.234,-43.975) 1(-45.234,-43.975) 1(-45.234,-44.001) 1(-45.234,-44.001) 1(-45.234,-44.001) 1(-45.234,-44) 1(-45.234,-44) 1(-45.234,-44) 1(-45.234,-43.971) 1(-45.234,-43.971) 1(-45.234,-43.971) 1(-45.234,-43.996) 1(-45.234,-43.996) 1(-45.234,-43.996) 1(-45.234,-44.003) 1(-45.234,-44.003) 1(-45.234,-44.003) 1(-45.234,-43.987) 1(-45.234,-43.987) 1(-45.234,-43.987) 1(-45.234,-44.021) 1(-45.234,-44.021) 1(-45.234,-44.021) 1(-45.234,-44.022) 1(-45.234,-44.022) 1(-45.234,-44.022) 1(-45.233,-44.007) 1(-45.233,-44.007) 1(-45.233,-44.007) 1(-45.233,-44.021) 1(-45.233,-44.021) 1(-45.233,-44.021) 1(-45.233,-44.006) 1(-45.233,-44.006) 1(-45.233,-44.006) 1(-45.233,-44.011) 1(-45.233,-44.011) 1(-45.233,-44.011) 1(-45.233,-44.012) 1(-45.233,-44.012) 1(-45.233,-44.012) 1(-45.233,-44.009) 1(-45.233,-44.009) 1(-45.233,-44.009) 1(-45.232,-44.014) 1(-45.232,-44.014) 1(-45.232,-44.014) 1(-45.232,-43.989) 1(-45.232,-43.989) 1(-45.232,-43.989) 1(-45.232,-43.995) 1(-45.232,-43.995) 1(-45.232,-43.995) 1(-45.232,-44.02) 1(-45.232,-44.02) 1(-45.232,-44.02) 1(-45.232,-43.968) 1(-45.232,-43.968) 1(-45.232,-43.968) 1(-45.232,-43.976) 1(-45.232,-43.976) 1(-45.232,-43.976) 1(-45.232,-44.021) 1(-45.232,-44.021) 1(-45.232,-44.021) 1(-45.231,-43.975) 1(-45.231,-43.975) 1(-45.231,-43.975) 1(-45.231,-43.976) 1(-45.231,-43.976) 1(-45.231,-43.976) 1(-45.231,-44.022) 1(-45.231,-44.022) 1(-45.231,-44.022) 1(-45.231,-43.974) 1(-45.231,-43.974) 1(-45.231,-43.974) 1(-45.231,-43.969) 1(-45.231,-43.969) 1(-45.231,-43.969) 1(-45.231,-43.974) 1(-45.231,-43.974) 1(-45.231,-43.974) 1(-45.231,-43.977) 1(-45.231,-43.977) 1(-45.231,-43.977) 1(-45.231,-43.997) 1(-45.231,-43.997) 1(-45.231,-43.997) 1(-45.231,-43.991) 1(-45.231,-43.991) 1(-45.231,-43.991) 1(-45.23,-43.995) 1(-45.23,-43.995) 1(-45.23,-43.995) 1(-45.23,-44.014) 1(-45.23,-44.014) 1(-45.23,-44.014) 1(-45.23,-43.969) 1(-45.23,-43.969) 1(-45.23,-43.969) 1(-45.23,-43.968) 1(-45.23,-43.968) 1(-45.23,-43.968) 1(-45.23,-44.014) 1(-45.23,-44.014) 1(-45.23,-44.014) 1(-45.23,-44.007) 1(-45.23,-44.007) 1(-45.23,-44.007) 1(-45.23,-44.006) 1(-45.23,-44.006) 1(-45.23,-44.006) 1(-45.23,-44.009) 1(-45.23,-44.009) 1(-45.23,-44.009) 1(-45.23,-44.011) 1(-45.23,-44.011) 1(-45.23,-44.011) 1(-45.23,-44.003) 1(-45.23,-44.003) 1(-45.23,-44.003) 1(-45.23,-44.012) 1(-45.23,-44.012) 1(-45.23,-44.012) 1(-45.23,-43.991) 1(-45.23,-43.991) 1(-45.23,-43.991) 1(-45.229,-43.972) 1(-45.229,-43.972) 1(-45.229,-43.972) 1(-45.229,-43.999) 1(-45.229,-43.999) 1(-45.229,-43.999) 1(-45.229,-44.007) 1(-45.229,-44.007) 1(-45.229,-44.007) 1(-45.229,-43.971) 1(-45.229,-43.971) 1(-45.229,-43.971) 1(-45.229,-44.002) 1(-45.229,-44.002) 1(-45.229,-44.002) 1(-45.229,-43.995) 1(-45.229,-43.995) 1(-45.229,-43.995) 1(-45.229,-43.98) 1(-45.229,-43.98) 1(-45.229,-43.98) 1(-45.229,-44.016) 1(-45.229,-44.016) 1(-45.229,-44.016) 1(-45.228,-44.005) 1(-45.228,-44.005) 1(-45.228,-44.005) 1(-45.228,-44.022) 1(-45.228,-44.022) 1(-45.228,-44.022) 1(-45.228,-44.001) 1(-45.228,-44.001) 1(-45.228,-44.001) 1(-45.228,-44.021) 1(-45.228,-44.021) 1(-45.228,-44.021) 1(-45.228,-44.015) 1(-45.228,-44.015) 1(-45.228,-44.015) 1(-45.228,-44.018) 1(-45.228,-44.018) 1(-45.228,-44.018) 1(-45.227,-44) 1(-45.227,-44) 1(-45.227,-44) 1(-45.227,-44.004) 1(-45.227,-44.004) 1(-45.227,-44.004) 1(-45.227,-44.012) 1(-45.227,-44.012) 1(-45.227,-44.012) 1(-45.226,-43.978) 1(-45.226,-43.978) 1(-45.226,-43.978) 1(-45.226,-43.973) 1(-45.226,-43.973) 1(-45.226,-43.973) 1(-45.226,-44.001) 1(-45.226,-44.001) 1(-45.226,-44.001) 1(-45.226,-43.999) 1(-45.226,-43.999) 1(-45.226,-43.999) 1(-45.226,-44.015) 1(-45.226,-44.015) 1(-45.226,-44.015) 1(-45.226,-44.008) 1(-45.226,-44.008) 1(-45.226,-44.008) 1(-45.226,-43.998) 1(-45.226,-43.998) 1(-45.226,-43.998) 1(-45.226,-44.003) 1(-45.226,-44.003) 1(-45.226,-44.003) 1(-45.226,-44.015) 1(-45.226,-44.015) 1(-45.226,-44.015) 1(-45.226,-43.991) 1(-45.226,-43.991) 1(-45.226,-43.991) 1(-45.225,-43.996) 1(-45.225,-43.996) 1(-45.225,-43.996) 1(-45.225,-43.995) 1(-45.225,-43.995) 1(-45.225,-43.995) 1(-45.225,-44.012) 1(-45.225,-44.012) 1(-45.225,-44.012) 1(-45.225,-43.971) 1(-45.225,-43.971) 1(-45.225,-43.971) 1(-45.225,-44.024) 1(-45.225,-44.024) 1(-45.225,-44.024) 1(-45.225,-44.003) 1(-45.225,-44.003) 1(-45.225,-44.003) 1(-45.225,-43.985) 1(-45.225,-43.985) 1(-45.225,-43.985) 1(-45.225,-43.993) 1(-45.225,-43.993) 1(-45.225,-43.993) 1(-45.225,-43.987) 1(-45.225,-43.987) 1(-45.225,-43.987) 1(-45.225,-43.975) 1(-45.225,-43.975) 1(-45.225,-43.975) 1(-45.224,-44.021) 1(-45.224,-44.021) 1(-45.224,-44.021) 1(-45.224,-44.018) 1(-45.224,-44.018) 1(-45.224,-44.018) 1(-45.223,-43.982) 1(-45.223,-43.982) 1(-45.223,-43.982) 1(-45.223,-43.969) 1(-45.223,-43.969) 1(-45.223,-43.969) 1(-45.223,-43.98) 1(-45.223,-43.98) 1(-45.223,-43.98) 1(-45.223,-43.974) 1(-45.223,-43.974) 1(-45.223,-43.974) 1(-45.223,-43.984) 1(-45.223,-43.984) 1(-45.223,-43.984) 1(-45.223,-44.012) 1(-45.223,-44.012) 1(-45.223,-44.012) 1(-45.223,-44.014) 1(-45.223,-44.014) 1(-45.223,-44.014) 1(-45.223,-43.967) 1(-45.223,-43.967) 1(-45.223,-43.967) 1(-45.223,-44.021) 1(-45.223,-44.021) 1(-45.223,-44.021) 1(-45.222,-43.968) 1(-45.222,-43.968) 1(-45.222,-43.968) 1(-45.222,-43.974) 1(-45.222,-43.974) 1(-45.222,-43.974) 1(-45.222,-43.999) 1(-45.222,-43.999) 1(-45.222,-43.999) 1(-45.222,-44.008) 1(-45.222,-44.008) 1(-45.222,-44.008) 1(-45.222,-43.997) 1(-45.222,-43.997) 1(-45.222,-43.997) 1(-45.222,-44.024) 1(-45.222,-44.024) 1(-45.222,-44.024) 1(-45.222,-43.994) 1(-45.222,-43.994) 1(-45.222,-43.994) 1(-45.222,-44.013) 1(-45.222,-44.013) 1(-45.222,-44.013) 1(-45.222,-43.995) 1(-45.222,-43.995) 1(-45.222,-43.995) 1(-45.222,-43.988) 1(-45.222,-43.988) 1(-45.222,-43.988) 1(-45.222,-43.978) 1(-45.222,-43.978) 1(-45.222,-43.978) 1(-45.222,-43.985) 1(-45.222,-43.985) 1(-45.222,-43.985) 1(-45.222,-43.972) 1(-45.222,-43.972) 1(-45.222,-43.972) 1(-45.222,-44.01) 1(-45.222,-44.01) 1(-45.222,-44.01) 1(-45.221,-43.98) 1(-45.221,-43.98) 1(-45.221,-43.98) 1(-45.221,-44.007) 1(-45.221,-44.007) 1(-45.221,-44.007) 1(-45.221,-43.993) 1(-45.221,-43.993) 1(-45.221,-43.993) 1(-45.221,-43.99) 1(-45.221,-43.99) 1(-45.221,-43.99) 1(-45.221,-43.974) 1(-45.221,-43.974) 1(-45.221,-43.974) 1(-45.221,-43.989) 1(-45.221,-43.989) 1(-45.221,-43.989) 1(-45.221,-44.005) 1(-45.221,-44.005) 1(-45.221,-44.005) 1(-45.221,-44.019) 1(-45.221,-44.019) 1(-45.221,-44.019) 1(-45.22,-43.975) 1(-45.22,-43.975) 1(-45.22,-43.975) 1(-45.22,-44.004) 1(-45.22,-44.004) 1(-45.22,-44.004) 1(-45.22,-43.972) 1(-45.22,-43.972) 1(-45.22,-43.972) 1(-45.219,-43.987) 1(-45.219,-43.987) 1(-45.219,-43.987) 1(-45.219,-44.013) 1(-45.219,-44.013) 1(-45.219,-44.013) 1(-45.219,-44) 1(-45.219,-44) 1(-45.219,-44) 1(-45.219,-43.975) 1(-45.219,-43.975) 1(-45.219,-43.975) 1(-45.218,-43.976) 1(-45.218,-43.976) 1(-45.218,-43.976) 1(-45.218,-43.981) 1(-45.218,-43.981) 1(-45.218,-43.981) 1(-45.218,-43.978) 1(-45.218,-43.978) 1(-45.218,-43.978) 1(-45.218,-43.983) 1(-45.218,-43.983) 1(-45.218,-43.983) 1(-45.218,-44.024) 1(-45.218,-44.024) 1(-45.218,-44.024) 1(-45.218,-44.02) 1(-45.218,-44.02) 1(-45.218,-44.02) 1(-45.218,-43.987) 1(-45.218,-43.987) 1(-45.218,-43.987) 1(-45.218,-43.967) 1(-45.218,-43.967) 1(-45.218,-43.967) 1(-45.217,-43.991) 1(-45.217,-43.991) 1(-45.217,-43.991) 1(-45.217,-43.999) 1(-45.217,-43.999) 1(-45.217,-43.999) 1(-45.217,-43.995) 1(-45.217,-43.995) 1(-45.217,-43.995) 1(-45.217,-43.972) 1(-45.217,-43.972) 1(-45.217,-43.972) 1(-45.217,-44.008) 1(-45.217,-44.008) 1(-45.217,-44.008) 1(-45.217,-44.013) 1(-45.217,-44.013) 1(-45.217,-44.013) 1(-45.217,-44.003) 1(-45.217,-44.003) 1(-45.217,-44.003)